# Altium PCB galileo_cleaned.PcbDoc (part 8 of 10)
Units mil, origin at the board's own origin, x right, y up, seen from the top; angles counter-clockwise.
Board outline 4205 x 2835.09 mil, 6 copper layers (TOP, PWR, LYR_1, LYR_2, GND, BOTTOM), stack 80.1 mil thick; 533 components, 432 nets, 2101 pads, 1155 vias.
Unrouted connection lines stored in the file: 669.
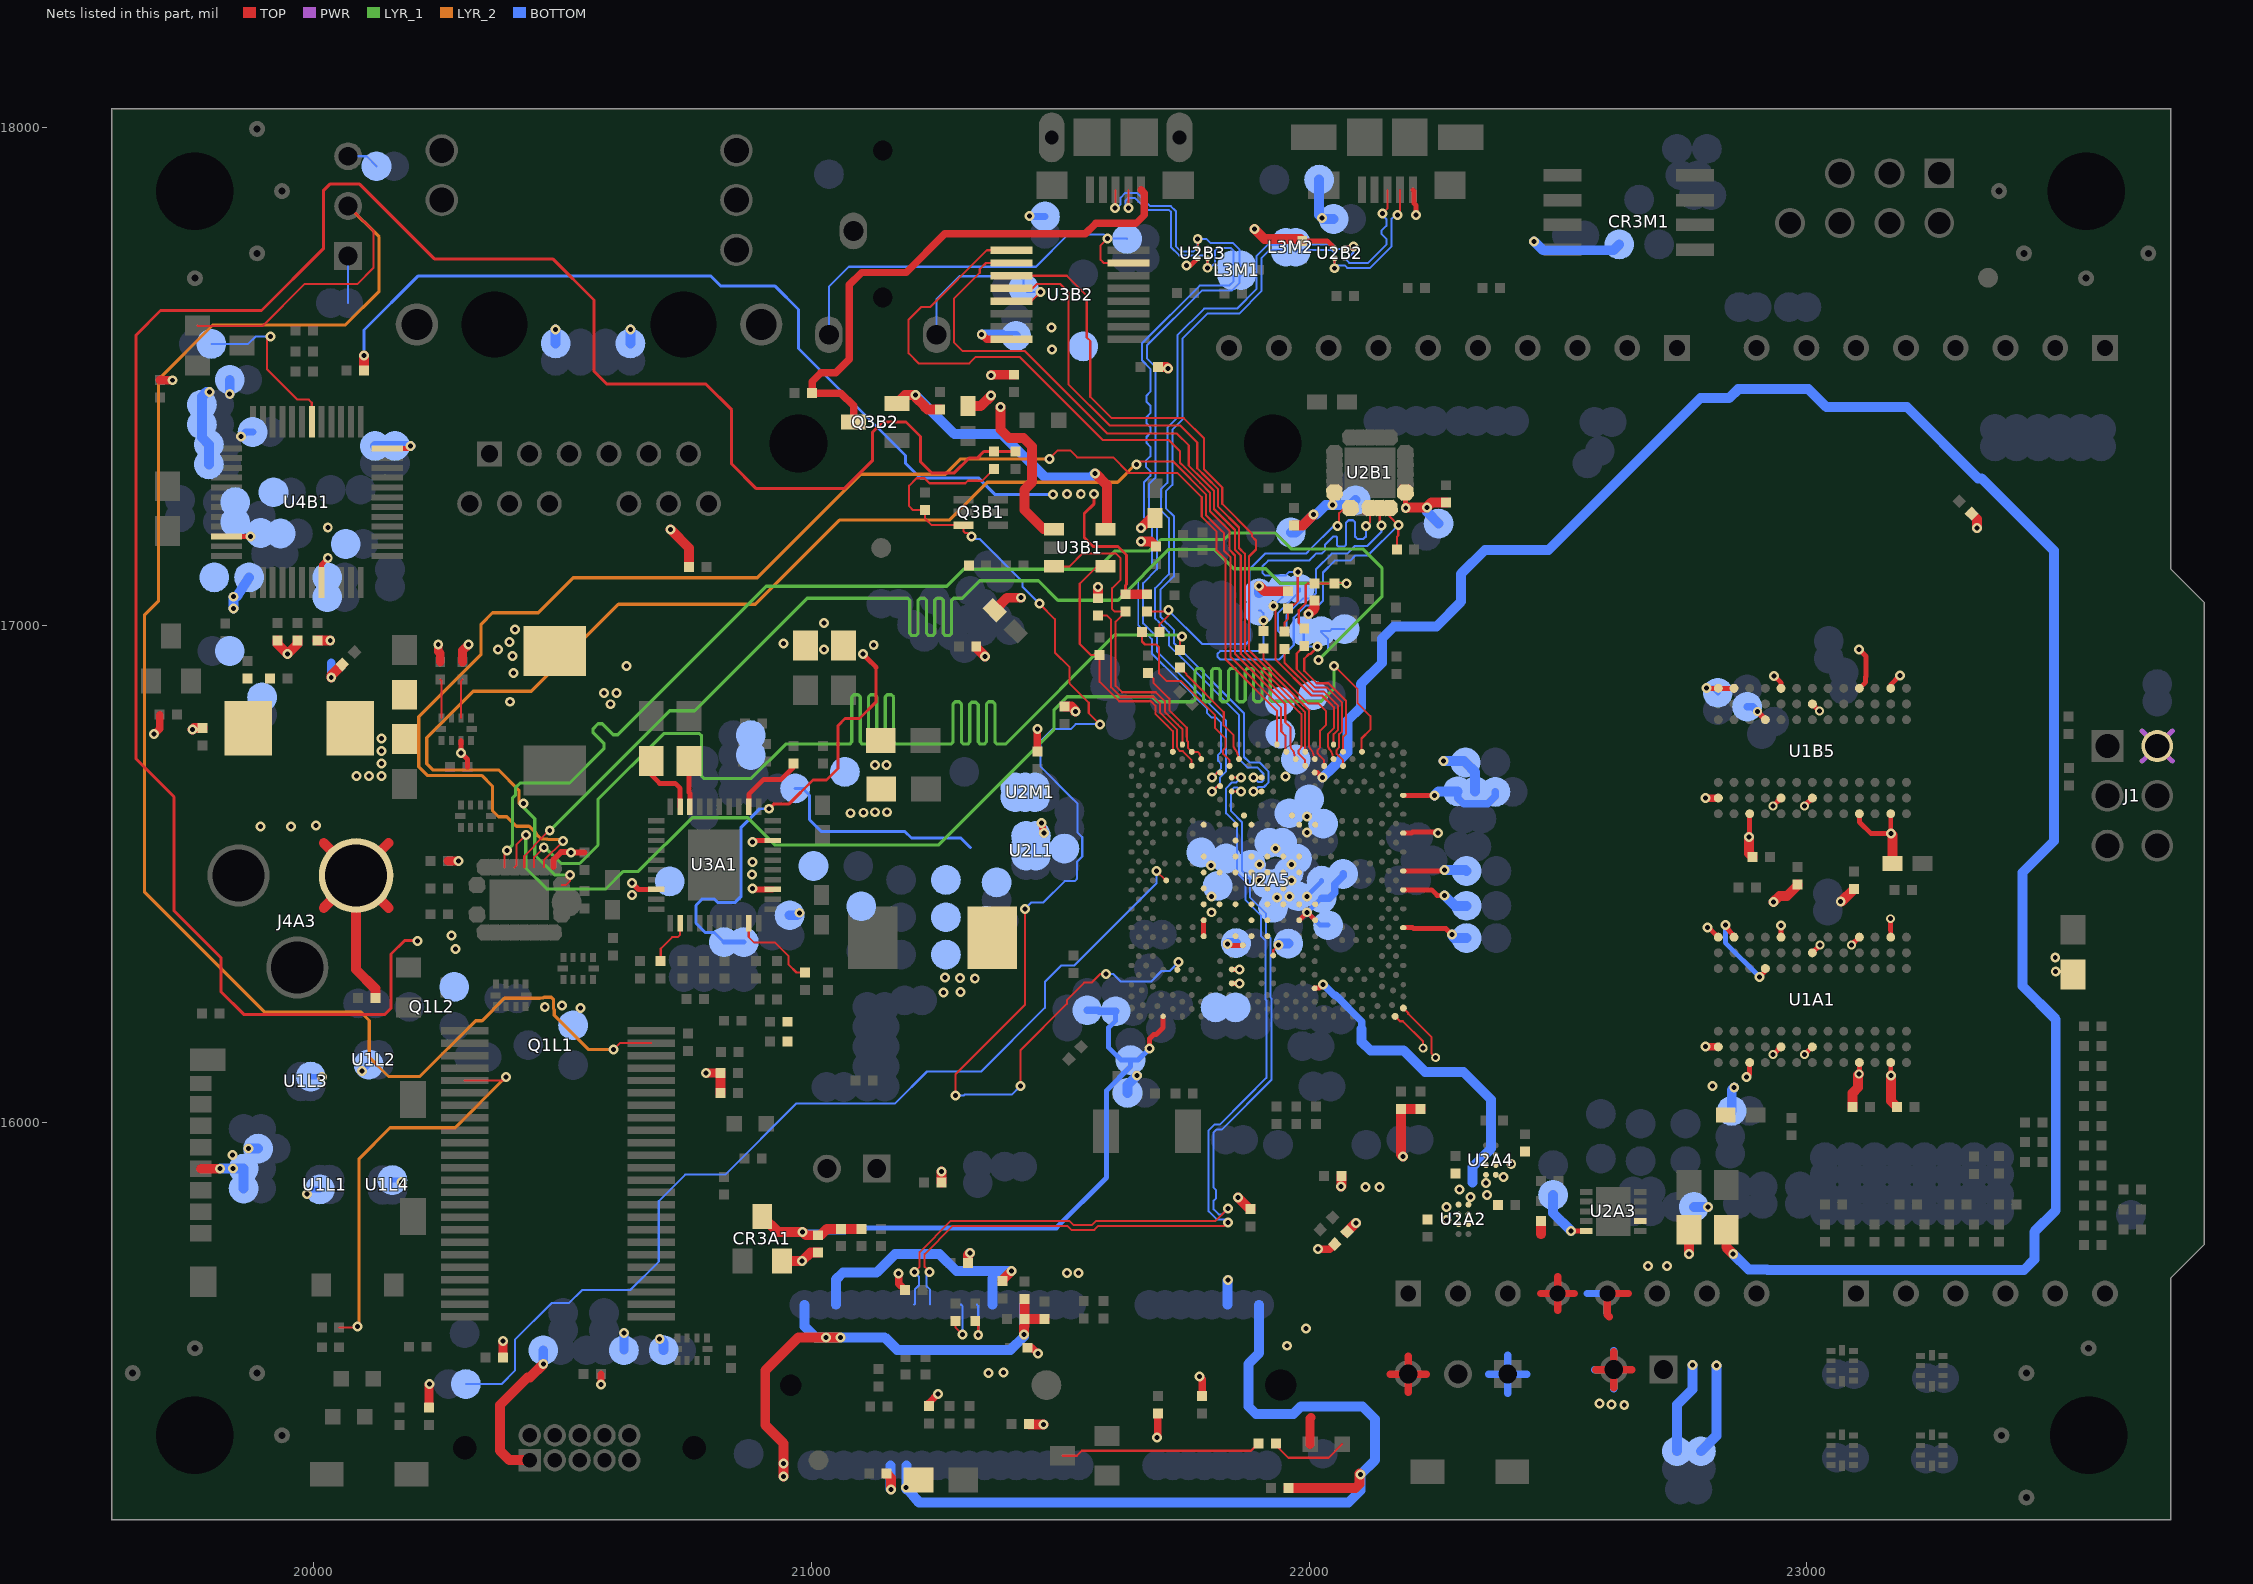
[diagram p12: the nets of this part, all layers, seen from the top]

## Via types
v1: diameter 20, hole 10, TOP to BOTTOM, 1096 vias
v2: diameter 18, hole 10, TOP to BOTTOM, 43 vias
v3: diameter 25, hole 25, TOP to BOTTOM, 16 vias

## Nets (pads, with @x,y where several pads share a name; then routed paths per layer and width w, separated by ;. In a path a pad name is that pad's centre, name@x,y a point inside that pad or via, vN(x,y) a via of type N, cw(c..) or ccw(c..) an arc to the next point about the centre after c; other vN are vias at no path point) (continued)
S5_PGOOD: C3B12.1 Q3B1.3 R3B11.2 U2A5.G7 | length 2542.7
  TOP w4: U2A5.G7@21735.04,16307.42 21735.04,16320.6 v1(21737.8,16323.35)
  TOP w4.2: v1(21289,16055) 21289,16097 21429,16237 v1(21429,16430) ; v1(21321,17178) 21314,17185 21309.2,17185 21305,17189.2 Q3B1.3@21305,17200.8 21241.2,17200.8 21228,17214 C3B12.1@21228,17231 21204,17231 21196,17239 21196,17280 21211,17295 21227,17295 21237,17285 21309,17285 21314,17290 21343,17290 R3B11.2@21367,17314 ; v1(21420,16074) 21420,16146 21513,16239 21513,16246.55 21548,16281.55 21562.55,16281.55 21580,16299 v1(21592,16299) ; v1(21458,17043) 21489,17012 21489,16945 21518,16916 21518,16883 21557,16844 21557,16823 v1(21580,16800)
  BOTTOM w4.2: v1(21289,16055) 21306.1,16055 21308.1,16057 21403,16057 v1(21420,16074) ; v1(21321,17178) 21326,17173 21338,17173 21424,17087 21424,17077 v1(21458,17043) ; v1(21429,16430) 21442,16443 21466,16443 21508.6,16485.6 21528.6,16485.6 21533.82,16490.82 21533.82,16524.75 21535,16525.93 21535,16526 21544,16535 21544,16574 21534.1,16583.9 21534.1,16641.81 21520.45,16655.45 21459.8,16716.1 21459.8,16766.89 21483.91,16791 21521,16791 21531,16801 21579,16801 v1(21580,16800) ; v1(21592,16299) 21606,16299 21621,16284 21682.26,16284 21703.26,16305 21719.45,16305 v1(21737.8,16323.35)
SD_LED: R1L10.2 U2A5.E17 | length 1994.4
  TOP w4: v1(21693.1,16505.8) 21711.9,16487 U2A5.E17@21712.71,16487
  BOTTOM w4.2: R1L10.2@20305.5,15475 20377,15475 20404,15502 20404,15564 20477.5,15637.5 20512.5,15637.5 20539,15664 20636,15664 20693,15721 20693,15842.48 20746.22,15895.7 20788.99,15895.7 20789.09,15895.8 20826.61,15895.8 20969.81,16039 21168,16039 21232,16103 21341.09,16103 21469,16230.91 21469,16283 21502,16316 21528,16316 21693.1,16481.1 v1(21693.1,16505.8)
SEL_A0:  | length 3650.6
  TOP w4.2: 19766,17602 19767,17601 19897,17601 19981,17685 20087,17685 20120,17718 20120,17791 20069,17842 ; v1(20602,16147) 20615,16160 20678,16160
  LYR_2 w6.5: 20069,17842 20131,17780 20131,17671 20063,17603 19797,17603 19688,17494 19688,17049 19660,17021 19660,16463 19901,16222 20095,16222 20111.5,16205.5 20111.5,16131.5 20150,16093 20213,16093 20325,16205 20338,16205 20383,16250 20454.6,16250 20455.1,16250.5 20455.73,16250.5 20455.98,16250.75 20461,16250.75 20462.36,16252.11 20476.89,16252.11 20481.75,16247.25 20481.75,16228.85 20483,16227.6 20483,16216 20552,16147 v1(20602,16147)
SERIAL1_RXD: C2M8.1 U3B2.13 | length 388.7
  TOP w4.2: U3B2.13@21402,17650.8 21441.8,17650.8 v1(21460,17669)
  BOTTOM w4.2: 21251.32,17583.34 21251,17583.66 21251,17655 21297,17701 21419.1,17701 21426,17694.1 C2M8.1@21426,17677 21434,17669 v1(21460,17669)
SERIAL1_TXD: C2M9.1 U3B2.7 | length 850.4
  TOP w4.2: v1(21595,17777) 21581,17763 21581,17734 21587.4,17727.6 U3B2.7@21637,17727.6
  BOTTOM w4.2: 21034.79,17583.34 21034.79,17679.79 21075,17720 21451,17720 21516,17785 21587,17785 v1(21595,17777) 21633,17777 C2M9.1@21634,17776
SLT0_SCL: R3A3.1 | length 92
  TOP w4.2: R3A3.1@21329,15602 21335,15596 v1(21335,15574)
  BOTTOM w4.2: 21332.31,15634.42 21335,15631.73 v1(21335,15574)
SLT0_SDA: R3A4.1 | length 93.1
  TOP w4.2: R3A4.1@21289,15602 21289,15589 v1(21303,15575)
  BOTTOM w4.2: 21300.82,15634.42 21303,15632.24 v1(21303,15575)
SNI_MODE: R1M12.1 U4B1.6 | length 350.3
  TOP w4.2: v1(19913,17580) 19906,17573 19906,17514 19967.07,17452.93 19989.93,17452.93 19995.84,17447.02 U4B1.6@19995.84,17408.42
  BOTTOM w4.2: R1M12.1@19794,17565 19868,17565 19883,17580 v1(19913,17580)
SPI0_CS_N: R2B14.1 R2B30.2 U2B1.11 | length 699.8
  TOP w4.2: R2B30.2@21674,17027 21714,17027 v1(21717,17030) 21717,17019 21699,17001 R2B14.1@21699,16986 ; v1(22057,17199) 22060,17202 22060,17225 22069.98,17234.98 U2B1.11@22082.63,17234.98
  BOTTOM w4.2: v1(21717,17030) 21785,16962 21873,16962 21880,16969 21880,17111.92 21911.88,17143.8 21993.7,17143.8 22001.94,17152.04 22048.91,17199 v1(22057,17199)
SPI0_CS_N_R: R2B14.2 U2A5.N32 | length 376.1
  TOP w4: 21811,16808 21811,16792.98 21831.98,16772 21831.98,16754.83 21831.92,16754.75 21829.12,16750.95 21826.72,16748.31 21826.72,16742.01 21829.87,16738.86 21831.08,16737.3 21839.98,16728.4 U2A5.N32@21839.98,16717.18
  TOP w4.2: R2B14.2@21664,16986 21664,16967 21670,16961 21693,16961 21698,16956 21698,16903 21713.1,16887.9 21742.1,16887.9 21811,16819 21811,16808
SPI0_MISO: R3M11.2 U2A5.AG33 | length 420.3
  TOP w4: 22045.7,16838.7 22050,16834.4 22050,16793.36 22038.02,16781.38 22038.02,16755.33 22040.87,16750.7 22044.07,16746.7 22046.55,16738.71 U2A5.AG33@22049.03,16730.74
  TOP w4.2: v1(21928,17038) 21932.1,17033.9 21932.1,16931.1 22004.6,16858.6 22025.8,16858.6 22045.7,16838.7
  BOTTOM w4.2: v1(21928,17038) 21946,17056 R3M11.2@21946,17073
SPI0_MISO_R: R3M11.1 U2B1.14 | length 491.6
  TOP w4.2: U2B1.14@22141.69,17234.98 22141.69,17203.31 v1(22145,17200)
  BOTTOM w4.2: R3M11.1@21981,17073 21981,17068 21937,17024 21937,16989 21942,16984 21948,16984 21954,16990 21954,17020.08 21987.12,17053.2 22003.2,17053.2 22013.4,17063.4 22013.4,17111.67 22045.33,17143.6 22076.42,17143.6 22091.82,17159 22116.92,17159 22145,17187.08 v1(22145,17200)
SPI0_MOSI: R2B8.1 R2B16.2 U2B1.13 | length 623.4
  TOP w4.2: R2B8.1@21950,16987 21950,17005 21957,17012 R2B16.2@21957,17033 21964.9,17040.9 21967.87,17040.9 21967.97,17041 21969.91,17041 21977,17048.09 v1(21977,17107) ; v1(22114,17199) 22117,17202 22117.54,17202 22122,17206.46 U2B1.13@22122,17234.98
  BOTTOM w4.2: v1(21977,17107) 21960,17107 21953,17100 21911,17100 21906,17105 21906,17117.84 21917.76,17129.6 21999.58,17129.6 22006.11,17136.12 ; 22006.12,17136.13 22007.83,17137.84 22013.99,17144 22025.65,17144 22032,17150.35 22032,17162 22048,17178 22054,17178 22056,17176 22056,17160 22058.2,17157.8 22070.54,17157.8 22074,17161.26 22074,17205.7 22079,17210.7 22088.3,17210.7 22092,17207 22092,17178 22096.8,17173.2 22109.2,17173.2 22114,17178 v1(22114,17199)
SPI0_MOSI_R: R2B8.2 U2A5.AG35 | length 252.8
  TOP w4: U2A5.AG35@22049.03,16760.07 22049.03,16781.03 22058,16790 22058,16838 22052,16844
  TOP w4.2: R2B8.2@21950,16952 21950,16924.8 22008,16866.8 22029.2,16866.8 22052,16844
SPI0_SCK: R2B11.1 R2B19.1 R3M9.2 U2B1.15 | length 837.4
  TOP w4.2: R2B11.1@21908,16988 v1(21908,17009) ; U2B1.15@22161.37,17234.98 22161.37,17218.63 v1(22179,17201) 22179,17180 22176,17177 R2B19.1@22176,17152
  BOTTOM w4.2: R3M9.2@21899,17029 21903,17029 21908,17024 v1(21908,17009) 21908,16958 21897.8,16947.8 21820.92,16947.8 21816,16942.88 21816,16935.92 21820.92,16931 21940,16931 21969,16960 21969,17015 21993,17039 22017.92,17039 22027.6,17048.68 22027.6,17105.78 22051.22,17129.4 22082.31,17129.4 22093.11,17140.2 22118.2,17140.2 v1(22179,17201)
SPI0_SCK_R: R2B11.2 U2A5.AE32 | length 312.7
  TOP w4: U2A5.AE32@22030.02,16717.18 22030.02,16728.4 22021.12,16737.3 22019.91,16738.86 22016.76,16742.01 22016.76,16748.31 22019.16,16750.95 22021.96,16754.75 22022.02,16754.83 22022.02,16788.02 22034,16800 22034,16827.2 22031.6,16829.6
  TOP w4.2: R2B11.2@21908,16953 21908.03,16931.97 21997.8,16842.2 22019,16842.2 22031.6,16829.6
SPI1_CS_N: R2B7.1 | length 2782.4
  TOP w4.2: 20442.53,16513.5 20442.53,16533.53 v1(20462,16553) ; R2B7.1@21740,16950 21740,16973 v1(21744.5,16977.5)
  LYR_1 w6.5: v1(20462,16553) 20465,16553 20497,16521 20534,16521 20571,16558 20571,16650 20703,16782 20774.92,16782 20779.12,16777.8 20779.12,16696.2 20783.32,16692 20879,16692 20948,16761 21076.68,16761 21080.88,16765.2 21080.88,16855.8 21085.08,16860 21093.48,16860 21097.68,16855.8 21097.68,16765.2 21101.88,16761 21110.28,16761 21114.48,16765.2 21114.48,16855.8 21118.68,16860 21127.08,16860 21131.28,16855.8 21131.28,16765.2 21135.48,16761 21143.88,16761 21148.08,16765.2 21148.08,16855.8 21152.28,16860 21160.68,16860 21164.88,16855.8 21164.88,16765.2 21169.08,16761 21280.22,16761 21284.42,16765.2 21284.42,16841.7 21288.62,16845.9 21297.02,16845.9 21301.22,16841.7 21301.22,16765.2 21305.42,16761 21313.82,16761 21318.02,16765.2 21318.02,16841.02 21322,16845 21330,16845 21334.82,16840.18 21334.82,16765.2 21339.02,16761 21347.42,16761 21351.62,16765.2 21351.62,16841.7 21355.82,16845.9 21364.22,16845.9 21368.42,16841.7 21368.42,16765.2 21372.62,16761 21389.7,16761 21608.7,16980 21742,16980 v1(21744.5,16977.5)
SPI1_CS_N_R: R2B7.2 U2A5.R33 | length 231.7
  TOP w4: 21828.2,16810 21828.2,16798.42 21847.98,16778.64 21847.98,16755.33 21850.83,16750.7 21854.03,16746.7 U2A5.R33@21858.99,16730.74
  TOP w4.2: R2B7.2@21740,16915 21753.8,16901.2 21753.8,16899.4 21756.6,16896.6 21828.2,16825 21828.2,16810
SPI1_MISO: U2A5.AK34 | length 2900.7
  TOP w4.2: 20403.16,16513.5 20407,16517.34 20407,16559 v1(20426,16578) ; v1(22050,16918) 22097.2,16870.8 22097.2,16842.8 22123,16817 22123,16790 22105.1,16772.1 22105.1,16768.84 22105,16768.74 22105,16746.45 U2A5.AK34@22106.04,16745.41
  LYR_1 w6.5: v1(20426,16578) 20426,16512 20468,16470 20587,16470 20622,16505 20652,16505 20760,16613 20872,16613 20927,16558 21255,16558 21487,16790 21487,16829 21514,16856 21685,16856 21695,16846 21766.5,16846 21770.7,16850.2 21770.7,16908.8 21774.9,16913 21783.3,16913 21787.5,16908.8 21787.5,16850.2 21791.7,16846 21800.1,16846 21804.3,16850.2 21804.3,16908.8 21808.5,16913 21816.9,16913 21821.1,16908.8 21821.1,16850.2 21825.3,16846 21833.7,16846 21837.9,16850.2 21837.9,16908.8 21842.1,16913 21850.5,16913 21854.7,16908.8 21854.7,16850.2 21858.9,16846 21867.3,16846 21871.5,16850.2 21871.5,16908.8 21875.7,16913 21884.1,16913 21888.3,16908.8 21888.3,16850.2 21892.5,16846 21900.9,16846 21905.1,16850.2 21905.1,16908.8 21909.3,16913 21917.7,16913 21921.9,16908.8 21921.9,16850.2 21925.1,16847 22024,16847 22050,16873 v1(22050,16918)
SPI1_MOSI: R2B9.1 R2B12.2 R2B17.1 | length 2593.8
  TOP w4.2: 20422.84,16513.5 20422.84,16535.84 20442.5,16555.5 20442.5,16557.5 20472,16587 v1(20474,16587) ; R2B9.1@21990,16993 21979,17004 21979,17030 21993,17044 21993,17080 21997,17084 R2B12.2@22011,17084 R2B17.1@22051,17084 22053,17086 v1(22075,17084)
  LYR_1 w6.5: v1(20474,16587) 20715,16828 20765,16828 20991,17054 21193.19,17054 21197.39,17049.8 21197.39,16983.2 21201.59,16979 21209.99,16979 21214.19,16983.2 21214.19,17049.8 21218.39,17054 21226.79,17054 21230.99,17049.8 21230.99,16983.2 21235.19,16979 21243.59,16979 21247.79,16983.2 21247.79,17049.8 21251.99,17054 21260.39,17054 21264.59,17049.8 21264.59,16983.2 21268.79,16979 21277.19,16979 21281.39,16983.2 21281.39,17049.8 21285.59,17054 21303,17054 21338,17089 21456,17089 21495,17050 21616,17050 21718,17152 21809,17152 21848,17113 21913,17113 21942,17084 v1(22075,17084)
SPI1_MOSI_R: R2B9.2 U2A5.AH32 | length 308.6
  TOP w4: 22064.7,16845.7 22066,16844.4 22066,16786.68 22060.03,16780.71 22060.03,16754.83 22059.97,16754.75 22057.17,16750.95 22054.77,16748.31 22054.77,16742.01 22057.92,16738.86 22059.13,16737.3 22068.03,16728.4 U2A5.AH32@22068.03,16717.18
  TOP w4.2: R2B9.2@21990,16958 21974.97,16942.97 21974.97,16911.43 22011.4,16875 22035.4,16875 22064.7,16845.7
SPI1_SCK: R3M6.1 R3M7.1 | length 2583.5
  TOP w4.2: 20383.47,16513.5 20383.47,16543.47 20388,16548 v1(20388,16547)
  LYR_1 w6.5: v1(20388,16547) 20399,16558 20399,16652 20405,16658 20405,16673 20414.8,16682.8 20513.8,16682.8 20583.24,16752.24 20583.24,16761.44 20561,16783.68 20561,16792 20571,16802 20579.45,16802 20601.63,16779.82 20610.82,16779.82 20909,17078 21272,17078 21306,17112 21573,17112 21610,17149 21679,17149 21702,17172 21829,17172 21842,17185 21932,17185 21964,17153 22108,17153 22146,17115 22146,17057 v1(22019,16930)
  BOTTOM w4.2: v1(22019,16930) 22038,16949 22038,16972 22024,16986 R3M6.1@22024,16988 22041.1,16988 22045.1,16992 R3M7.1@22071,16992
SPI1_SCK_R: R3M6.2 U2A5.AH34 | length 329
  TOP w4: U2A5.AH34@22068.03,16745.41 22068.03,16776.03 22074,16782 22074,16848
  TOP w4.2: v1(22017,16957) 22017,16956.37 22002.53,16941.9 21999.54,16941.9 21990,16932.36 21990,16908 22014.8,16883.2 22038.8,16883.2 22074,16848
  BOTTOM w4.2: R3M6.2@21989,16988 21989,16967 21999,16957 v1(22017,16957)
SS1_1: C3A14.1 U3A1.9 | length 180.6
  TOP w4.2: U3A1.9@20873.9,16401.12 20873.9,16373.1 20885,16362 20927,16362 20954,16335 20954,16317.9 20969.9,16302 C3A14.1@20987,16302
SS1_2: C3B6.1 U3A1.22 | length 144.9
  TOP w10: U3A1.22@20873.9,16634.88 20873.9,16659.9 20904,16690 20939,16690 20964,16715 C3B6.1@20964,16722
SS1_3: C3A15.1 U3A1.2 | length 98.8
  TOP w4.2: C3A15.1@20697,16325 20697,16350 20720,16373 20731.1,16373 20736.1,16378 U3A1.2@20736.1,16401.12
SW_RESET_N_SHLD:  | length 824.9
  TOP w4.2: 20051,15589 20086,15589 v1(20088,15591) ; 20303,16085 20379,16085 v1(20386,16092)
  LYR_2 w6.5: v1(20088,15591) 20091,15594 20091,15928 20153,15990 20284,15990 v1(20386,16092)
TP0: TP2A1.1 U2A5.AT2 | length 126.4
  TOP w4.2: U2A5.AT2@22189.07,16230.46 22199.05,16220.48 22199.05,16218.95 22246,16172 22246,16139 TP2A1.1@22254,16131
TP1: TP2A2.1 U2A5.AR1 | length 90.7
  TOP w4.2: U2A5.AR1@22172.54,16213.93 22182.52,16203.95 22188.27,16203.95 22229,16163.22 TP2A2.1@22229,16150
TS_IREF_N: R3L4.1 U2A5.W9 | length 46.3
  TOP w4.2: U2A5.W9@21927.67,16336.26 21927.67,16346.67 v1(21938,16357)
  BOTTOM w20: v1(21938,16357) 21941,16360 R3L4.1@21958,16360
UART0_RXD: U2A5.AA34 | length 2944.1
  TOP w4.2: 20498,16477.53 20506.53,16477.53 20515,16486 v1(20515,16498) ; v1(21653,17323) 21659,17329 21726.34,17329 21732.3,17323.04 21732.3,17322.9 21792.4,17262.8 21792.4,17221.12 21821.75,17191.77 21821.75,17191.49 21829,17184.24 21829,17149 21842,17136 21842,16936 21943.7,16834.3 21943.7,16801.7 21943.8,16801.6 21943.8,16786.2 21952,16778 21952,16747.42 U2A5.AA34@21954.01,16745.41
  LYR_1 w6.5: v1(20421,16642) 20419,16640 20419,16636 20444,16611 20444,16538 20484,16498 v1(20515,16498)
  LYR_2 w6.5: v1(20421,16642) 20419,16640 20419,16636 20412,16643 20412,16668 20371,16709 20239,16709 20227,16721 20227,16774 20320,16867 20437,16867 20612,17042 20887,17042 21056,17211 21277,17211 21353,17287 21615,17287 21651,17323 v1(21653,17323)
UART0_TXD: U2A5.W35 | length 2979.6
  TOP w4: U2A5.W35@21935,16761.57 21935,16828
  TOP w4.2: 20462.21,16513.5 20462.21,16527.21 v1(20501,16566) ; v1(21478,17334) 21495,17351 21520,17351 21534,17337 21606,17337 21637,17306 21735,17306 21784,17257 21784,17217.92 21813.55,17188.37 21813.55,17151 21832,17132.55 21832,16931 21935,16828 ; U2A5.W35@21935,16760.07 U2A5.W35@21935,16761.57
  LYR_2 w6.5: v1(20501,16566) 20498,16569 20470.4,16569 20469.15,16570.25 20456.75,16570.25 20447,16580 20447,16581.4 20432.4,16596 20407,16596 20388,16615 20371,16615 20359,16627 20359,16676 20337,16698 20228,16698 20211,16715 20211,16816 20336,16941 20336,17002 20359,17025 20451,17025 20521,17095 20891,17095 21099,17303 21269,17303 21300,17334 v1(21478,17334)
UART1_CTS_N: U2A5.AB33 U3B2.9 | length 1683.7
  TOP w4: 21958.5,16798.5 21962.01,16794.99 21962.01,16755.33 21964.86,16750.7 21968.06,16746.7 21970.58,16738.57 U2A5.AB33@21973.01,16730.74
  TOP w4.2: U3B2.9@21402,17753.2 21352.2,17753.2 21238,17639 21220,17639 21195,17614 21195,17546 21215,17526 21317,17526 21330,17539 21418,17539 21585,17372 21718,17372 21740.5,17349.5 21740.5,17326.3 21744.4,17322.4 21744.67,17322.4 21749.8,17317.27 21749.8,17317 21780.9,17285.9 21800.6,17266.21 21800.6,17228.4 21840,17189 21840,17150.8 21851,17139.8 21851,16942.4 21951.9,16841.5 21951.9,16805.1 21958.5,16798.5
UART1_RTS_N: U2A5.AD33 U3B2.11 | length 1383.4
  TOP w4: 22000.02,16828.38 22000.02,16755.33 22002.86,16750.7 22006.06,16746.7 22008.59,16738.57 U2A5.AD33@22011.02,16730.74
  TOP w4.2: U3B2.11@21402,17702 21513,17702 21553,17662 21553,17578 21560,17571 21560,17458.8 21603,17415.8 21748.2,17415.8 21789,17375 21789,17312.61 21825.2,17276.41 21825.2,17243.47 21884.65,17184.02 21884.65,17178.35 21893,17170 21893,17152 21878.9,17137.9 21878.9,16949.5 22000.02,16828.38
UART1_RXD: U2A5.AC34 U3B2.12 | length 1328.7
  TOP w4: 21989,16827.6 21992.02,16824.58 U2A5.AC34@21992.02,16745.41
  TOP w4.2: U3B2.12@21402,17676.4 21443.3,17676.4 21452.3,17685.4 21500,17685.4 21516,17669.4 21516,17484 21599,17401 21741,17401 21775,17367 21775,17315 21792.5,17297.5 21817,17273.01 21817,17238 21859,17196 21859,17155 21870.7,17143.3 21870.7,16945.9 21989,16827.6
UART1_TXD: U2A5.AC32 U3B2.10 | length 1540.2
  TOP w4: 21980.1,16824.9 21984.02,16820.98 21984.02,16754.83 21983.96,16754.75 21981.16,16750.95 21978.76,16748.31 21978.76,16742.01 21981.91,16738.86 21983.12,16737.3 21992.02,16728.4 U2A5.AC32@21992.02,16717.18
  TOP w4.2: U3B2.10@21402,17727.6 21350.6,17727.6 21338,17715 21338,17708 21286,17656 21286,17568 21303,17551 21428,17551 21594,17385 21734,17385 21758,17361 21758,17320.4 21786.7,17291.7 21808.8,17269.61 21808.8,17233.2 21850.8,17191.2 21850.8,17151.6 21862.5,17139.9 21862.5,16942.5 21980.1,16824.9
UNNAMED_22_1X3HDR_I150_IO: R9.1 | length 65.3
  BOTTOM w4.2: 20069,17942 20106,17942 R9.1@20126,17922
UNNAMED_22_1X3HDR_I150_IO_1:  | length 95
  BOTTOM w4.2: 20069,17647 20069,17742
UNNAMED_22_RESN_I111_B:  | length 78.8
  TOP w4.2: 20295.84,16813.5 20295.84,16887.84 20299,16891
UNNAMED_22_RESN_I114_B:  | length 78.5
  TOP w4.2: 20254,16891 20256.47,16888.53 20256.47,16813.5
UNNAMED_36_FET_I432_C: R2A3.2 | length 404.4
  TOP w4.2: 21504,15331 21533,15331 21543,15341 21883,15341 R2A3.2@21898,15356
UNNAMED_36_LED_I407_C: R2A3.1 | length 158.5
  TOP w4.2: R2A3.1@21933,15356 21933,15352 21958,15327 22039,15327 22066,15354
USB_OC0_N: R2B15.2 U2A5.G35 U3B1.3 | length 657.6
  TOP w4: 21736.1,16800.1 21744.96,16791.24 21744.96,16784 21744.96,16780 U2A5.G35@21744.97,16760.07
  TOP w4.2: U3B1.3@21487,17118 21518.5,17118 21544.5,17144 21611,17144 21621,17134 21621,17091 21604,17074 21604,17032 21609,17027 R2B15.2@21631,17027 21611,17007 21611,16878 21624,16865 21692,16865 21710,16847 21710,16826.19 21736.1,16800.1
USB_OC1_N: R3B4.2 U2A5.J32 | length 431.7
  TOP w4: 21730.6,16794 21733.96,16790.64 21733.96,16755.33 21736.81,16750.7 21740.01,16746.7 21746.02,16746.7 21753.86,16738.86 21755.07,16737.3 21763.97,16728.4 U2A5.J32@21763.97,16717.18
  TOP w4.2: R3B4.2@21576,17019 21594,17019 21602,17011 21602,16875 21621,16856 21687,16856 21700,16843 21700,16824.6 21730.6,16794
USB_PWR_EN0: R3B3.1 U2A5.F34 U3B1.4 | length 529.6
  TOP w4: 21715,16798 21725.96,16787.04 U2A5.F34@21725.96,16745.41
  TOP w4.2: U3B1.4@21591,17118 21574,17118 21539,17083 21539,16962 21561,16940 R3B3.1@21579,16940 21579,16886 21618,16847 21682,16847 21691,16838 21691,16822 21715,16798